# Altium PCB Copy of GameBoard_V1I1_083018.PcbDoc (part 7 of 21) (continued)
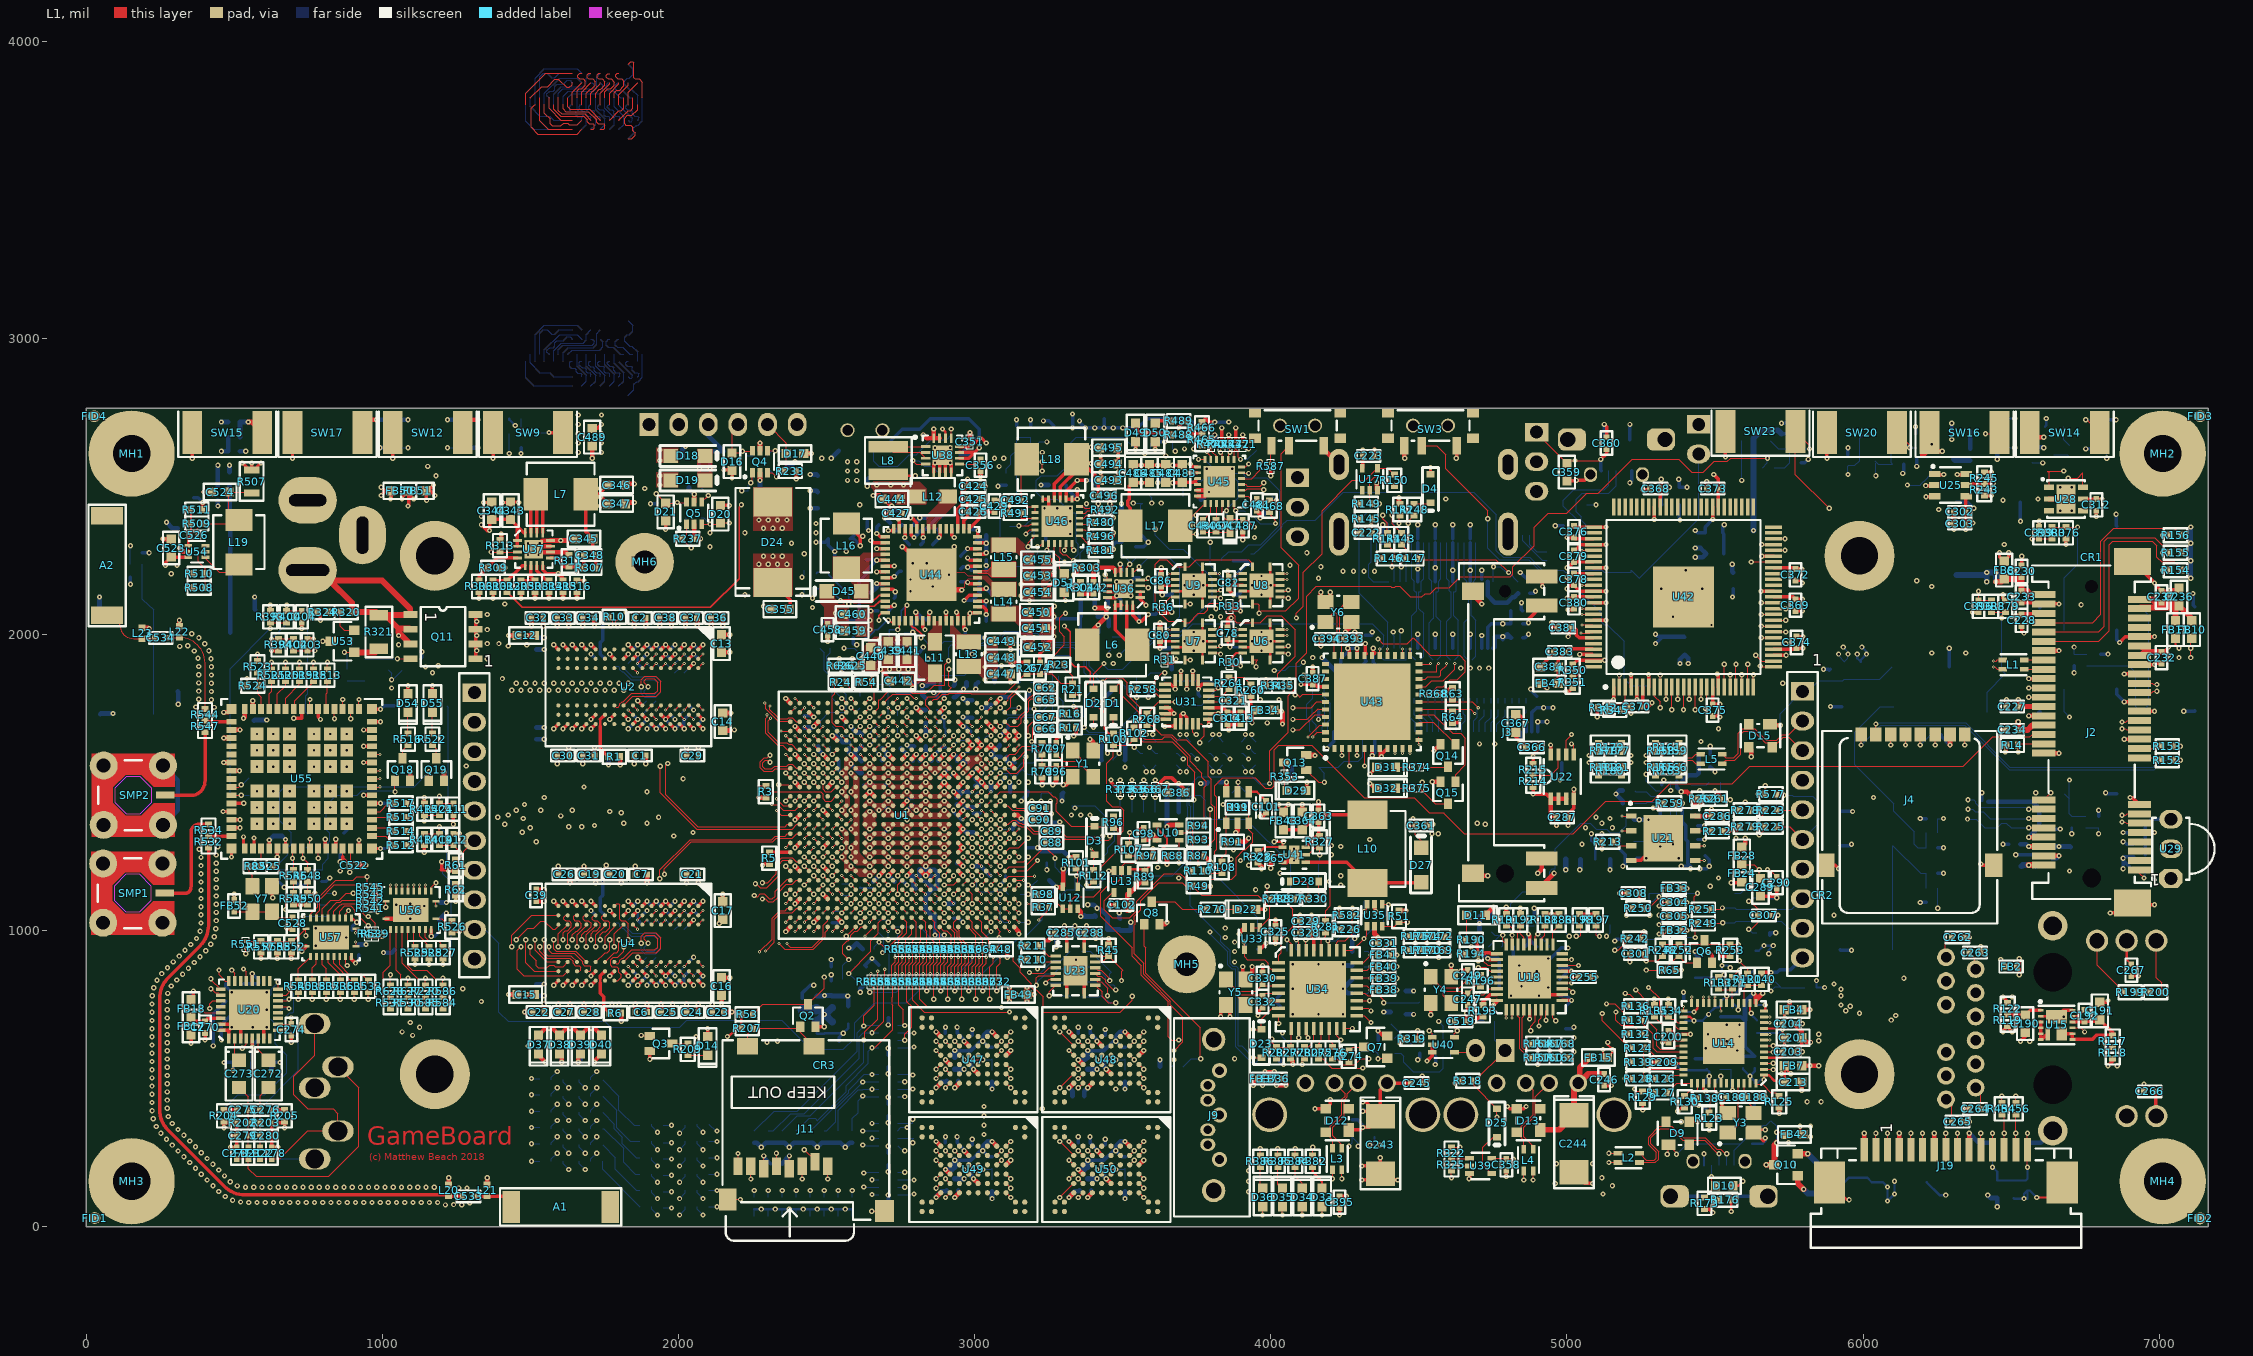
[diagram p0: L1 view]
## Nets (pads, with @x,y where several pads share a name; then routed paths per layer and width w, separated by ;. In a path a pad name is that pad's centre, name@x,y a point inside that pad or via, vN(x,y) a via of type N, cw(c..) or ccw(c..) an arc to the next point about the centre after c; other vN are vias at no path point) (continued)
  L7 (PWR) w11.81: v1(1173.23,2503.94) 1724.41,2503.94 v1(1736.22,2492.13) 1791.34,2547.24 1925.2,2547.24 ; v1(1937.01,2535.43) 1925.2,2547.24 ; v1(5555.12,1161.42) 5562.99,1169.29 5578.74,1169.29 5629.92,1220.47 5629.92,1350.52 5621.06,1359.38 5621.06,1385.7 5569.88,1436.88 5569.88,1448.69 5527.43,1491.14 5369.95,1491.14 5314.83,1546.26 5261.94,1546.26 5249.02,1559.18 5249.02,1598.3 5256.89,1606.17 5256.89,1669.29 5216.54,1669.29 5061.02,1824.8 5061.02,1837.6 4958.66,1939.96 4903.67,1939.96 4851.38,1992.25 4838.45,1992.25 4802.17,2028.54 4802.17,2043.18 4791.21,2054.13 4776.57,2054.13 4733.27,2097.44 4733.27,2132.87 4668.31,2197.83 4665.48,2197.83 4654.53,2208.79 4654.53,2211.61 4574.8,2291.34 4390.62,2291.34 4366.01,2266.73 4259.08,2266.73 4248.25,2255.91 4079.7,2255.91 4075.76,2259.84 3800.32,2259.84 3647.77,2412.4 3423.1,2412.4 3403.42,2392.72 3338.45,2392.72 3330.58,2400.59 3112.33,2400.59 3060.04,2452.88 3060.04,2524.61 2936.02,2648.62 2304.99,2648.62 2283.34,2626.97 2234.12,2626.97 2224.28,2636.81 2053.02,2636.81 2031.37,2615.16 2018.76,2615.16 1950.85,2547.24 1925.2,2547.24
  L12 w11.81: TP21.1@1700.79,2464.57 v1(1736.22,2464.57)
  other v1: 1736.22,2433.07 1937.01,2503.94
+3V3_HDR_J1: C289.1 C290.2 FB24.1 FB28.1 J12.4 | length 517.7
  L1 w3.94: FB24.1@5590.55,1222.44 5631.89,1222.44 v1(5649.61,1204.72) 5649.61,1179.13 C289.1@5653.54,1175.2 ; v1(5677.17,1204.72) 5685.04,1204.72 C290.2@5708.66,1181.1
  L7 (PWR) w3.94: v1(5649.61,1204.72) v1(5677.17,1204.72) 5677.17,1380.7 5795.28,1498.81 J12.4@5795.28,1507.09
+3V3_IR: C310.1 C311.1 R247.1 U29.3 | length 193.8
  L12 w11.81: R247.1@6952.76,1255.91 6952.76,1303.15 6952.76,1354.33 6974.02,1375.59 U29.3@7039.37,1375.59
+3V3_LDO: C423.1 FB36.1 TP30.1 U44.39 | length 3367.5
  L1 w11.81: U44.39@2785.43,2356.3 2785.43,2336.61 v2(2795.28,2326.77) ; v1(4019.69,476.38) v1(4051.18,476.38) 4055.12,480.31 FB36.1@4035.43,500
  L5 (PWR) w11.81: v2(2795.28,2326.77) 2813.98,2308.07 2872.17,2308.07 2903.67,2276.57 2938.85,2276.57 2949.8,2287.53 2949.8,2314.83 3004.06,2369.09 3019.56,2369.09 3230.19,2158.46 3285.31,2158.46 3393.57,2050.2 3425.07,2050.2 3459.52,2015.75 3685.04,2015.75 3744.09,2074.8 3803.15,2074.8 v1(3814.96,2086.61) 3830.71,2070.87 v1(3830.71,2059.06) v1(3799.21,2059.06)
  L8 (PWR) w11.81: v1(3830.71,2059.06) 3866.14,2023.62 3866.14,1979.2 3916.34,1929.01 3916.34,1759.71 3959.65,1716.41 3959.65,1417.45 3945.87,1403.67 3945.87,1378.08 3947.83,1376.11 3947.83,1156.5 3941.07,1156.5 3827.76,1043.18 3827.76,917.45 3905.51,839.69 3905.51,594.49 3943.77,594.49 3961.61,576.64 3961.61,515.88 3972.57,504.92 3991.14,504.92 v1(4019.69,476.38)
  L12 w11.81: v2(2795.28,2326.77) 2822.83,2354.33 C423.1@2834.65,2354.33 2877.95,2397.64 TP30.1@2889.76,2397.64
+3V3_MCU: C325.1 C326.1 C327.1 C328.1 C329.1 D22.2 FB36.2 FB37.2 Q7.2 R269.2 R272.2 R417.2 U33.5 U34.6 U34.29 | length 6840.8
  L1 w11.81: D22.2@3948.82,1070.87 v1(3980.31,1070.87) ; U33.5@3962.6,935.04 v1(3984.25,956.69) ; v1(3995.08,762.8) U34.6@4026.57,762.8 ; FB36.2@3996.06,500 3996.06,507.87 v1(3980.31,523.62) v1(4011.81,523.62) ; C329.1@4137.8,1031.5 C328.1@4137.8,992.13 4137.8,976.38 4145.67,968.5 U34.29@4145.67,933.07 ; v1(4362.2,661.42) 4379.92,643.7 Q7.2@4393.7,643.7
  L1 w15.75: v1(4015.75,956.69) C325.1@4015.75,976.38 ; C329.1@4137.8,1031.5 v1(4137.8,1051.18)
  L5 (PWR) w11.81: v1(3980.31,523.62) 3980.31,575.92 3965.55,590.68 3965.55,695.01 3975.39,704.85 3975.39,747.05 3991.14,762.8 v1(3995.08,762.8) 3995.08,813.12 3977.36,830.84 3977.36,860.36 3991.14,874.14 3991.14,932.09 v1(4015.75,956.69) v1(3984.25,956.69) 3984.25,965.68 3965.55,984.38 3965.55,1006.89 3980.31,1021.65 v1(3980.31,1070.87) 4125.98,1070.87 4137.8,1059.06 v1(4137.8,1051.18) ; v1(4011.81,523.62) 4012.68,524.49 4225.28,524.49 v1(4362.2,661.42)
  L8 (PWR) w11.81: v1(4362.2,661.42) 4497.05,526.57 4519.56,526.57 4532.35,539.37 4536.55,539.37 4547.37,528.54 4562.86,528.54 4566.92,524.49 5054.69,524.49 5055.56,523.62 5237.33,523.62 5281.62,479.33 5653.42,479.33 5692.79,439.96 5818.77,439.96 5829.72,429.01 5829.72,423.36 5850.52,402.56 5861.22,402.56 6000.33,263.45 6664.83,263.45 6699.88,298.5 6699.88,349.49 6766.73,416.34 6766.73,921.65 6742.7,945.68 6742.7,1056.52 6577.76,1221.46 6577.76,1443.04 6563.98,1456.82 6563.98,1702.88 6577.76,1716.66 6577.76,2249.02 6338.58,2488.19 6259.84,2488.19 v1(6181.1,2566.93)
  L12 w11.81: R269.2@3956.69,937.01 3964.57,937.01 v1(3984.25,956.69) ; v1(3995.08,762.8) 4010.83,762.8 ; C326.1@4031.5,744.09 4012.8,762.8 4010.83,762.8 ; C327.1@4031.5,783.46 4010.83,762.8 ; R272.2@4362.2,629.92 v1(4362.2,661.42) ; v1(6181.1,2566.93) R417.2@6181.1,2590.55
+3V3_MPCIE: C224.1 C225.1 C230.1 C231.1 C232.1 C233.1 C234.1 C235.1 FB8.2 J2.2 J2.24 J2.39 J2.41 J2.52 | length 2530.8
  L1 w11.81: J2.39@6933.07,1929.13 6940.94,1937.01 7023.62,1937.01 v1(7031.5,1929.13) ; J2.41@6933.07,1960.63 6948.82,1944.88 7019.69,1944.88 v1(7031.5,1956.69)
  L1 w19.68: v1(6448.82,2177.17) 6466.54,2177.17 FB8.2@6476.38,2187.01 6529.53,2187.01 C230.1@6535.43,2192.91 C233.1@6535.43,2145.67 6555.12,2145.67 6566.93,2133.86 J2.52@6610.24,2133.86 ; v1(6523.62,1704.72) C234.1@6523.62,1677.17 6555.12,1677.17 6570.87,1692.91 J2.24@6610.24,1692.91 ; v1(6559.06,1220.47) J2.2@6610.24,1220.47
  L7 (PWR) w19.68: v1(6448.82,2177.17) 6527.56,2177.17 6613.91,2090.81 6613.91,1901.32 6622.51,1892.72 ; v1(6559.06,1220.47) 6538.39,1241.14 6538.39,1265.28 6536.42,1267.25 6536.42,1418.83 6546.26,1428.67 6546.26,1611.74 6523.62,1634.38 v1(6523.62,1704.72) 6523.62,1720.99 6559.52,1756.89 6560.56,1756.89 6581.69,1778.02 6581.69,1851.9 6622.51,1892.72 ; v1(7031.5,1956.69) 6995.08,1920.28 6904.01,1920.28 6861.69,1877.95 6736.74,1877.95 6721.98,1892.72 6622.51,1892.72
  L12 w19.68: C225.1@6314.96,2200 6408.66,2200 v1(6417.32,2208.66) ; v1(6417.32,2177.17) v1(6417.32,2208.66) ; v1(6448.82,2177.17) v1(6448.82,2208.66) ; C224.1@6531.5,2200 6457.48,2200 v1(6448.82,2208.66) ; C231.1@6535.43,1216.54 6539.37,1220.47 v1(6559.06,1220.47) 6578.74,1220.47 C235.1@6582.68,1216.54 ; v1(6417.32,2208.66) v1(6448.82,2208.66)
+3V3_USB_HUB: C250.1 C251.2 C252.1 C253.2 C256.1 C257.1 C258.1 C259.1 C260.2 FB12.2 R184.2 R186.1 R187.2 R188.1 R197.2 R198.2 U18.5 U18.10 U18.15 U18.23 U18.29 U18.36 | length 2003.7
  L1 w11.81: v1(4732.28,905.51) 4736.22,901.57 U18.29@4763.78,901.57 ; v1(4751.97,748.03) 4763.78,759.84 U18.36@4763.78,763.78 ; v1(4870.08,988.19) 4874.02,984.25 U18.23@4874.02,952.76 ; v1(4874.02,700.79) U18.5@4874.02,732.28 ; R188.1@4925.2,1055.12 v1(4948.82,1055.12) R186.1@4972.44,1055.12 ; U18.10@4984.25,763.78 v1(5015.75,763.78) ; U18.15@4984.25,862.2 v1(5015.75,862.2) ; R198.2@5047.24,1055.12 v1(5070.87,1055.12) R197.2@5098.43,1055.12
  L5 (PWR) w11.81: v1(4677.17,944.88) 4679.99,944.88 4719.36,905.51 v1(4732.28,905.51) 4751.97,885.83 v1(4751.97,748.03) 4826.77,748.03 v1(4874.02,700.79) 4906.62,700.79 4921.39,715.55 4967.52,715.55 v1(5015.75,763.78) 5015.75,768.83 4997.05,787.53 4997.05,843.5 v1(5015.75,862.2) 5016.73,863.19 5047.12,863.19 5070.87,886.94 v1(5070.87,1055.12) v1(4948.82,1055.12) 4909.45,1055.12 v1(4889.76,1074.8) 4889.76,1007.87 v1(4870.08,988.19)
  L12 w11.81: v1(4677.17,944.88) R184.2@4696.85,944.88 4696.85,940.94 v1(4732.28,905.51) 4767.72,905.51 C257.1@4771.65,901.57 C260.2@4771.65,850.39 C256.1@4771.65,807.09 ; C252.1@4858.27,944.88 4870.08,956.69 4870.08,972.44 ; v1(4870.08,988.19) 4870.08,972.44 ; v1(4874.02,700.79) C259.1@4874.02,740.16 ; R187.2@4889.76,1055.12 v1(4889.76,1074.8) ; C253.2@4897.64,944.88 4870.08,972.44 ; C258.1@4976.38,779.53 5000,779.53 v1(5015.75,763.78) 4996.06,744.09 FB12.2@4996.06,726.38 ; C251.2@4976.38,834.65 5003.94,862.2 v1(5015.75,862.2) 5003.94,874.02 C250.1@4976.38,874.02
+3V3_WIFI: C522.2 C525.2 C529.2 C531.2 D54.2 D55.2 FB50.2 FB51.2 R553.2 R554.2 R557.2 U55.46 U55.47 U56.19 U57.19 | length 3591.7
  L1 w3.66: U55.46@866.14,1276.57 866.14,1248.03 893.7,1220.47 C522.2@895.08,1220.47
  L1 w3.94: C522.2@893.7,1220.47 U55.47@893.7,1276.57
  L1 w11.81: v1(590.55,905.51) R557.2@590.55,925.2 ; v1(858.27,1232.28) 866.14,1240.16 866.14,1248.03 ; U57.19@895.67,911.42 895.67,903.54 v1(909.45,889.76) ; v1(1066.93,2456.69) 1066.93,2462.6 FB50.2@1088.58,2484.25 FB50.2@1088.58,2474.41 ; D54.2@1086.61,1799.21 v1(1086.61,1826.77) ; v1(1086.61,2433.07) 1088.58,2435.04 FB50.2@1088.58,2474.41 ; v1(1106.3,2456.69) FB50.2@1088.58,2474.41 ; v1(1165.35,980.31) U56.19@1165.35,1003.94 ; D55.2@1169.29,1799.21 v1(1169.29,1826.77)
  L5 (PWR) w11.81: v1(889.76,1196.85) 892.72,1199.8 960.5,1199.8 1065.94,1094.36 1065.94,1092.65 1100.52,1058.07 1102.23,1058.07 1113.19,1047.12 1113.19,1032.48 v1(1165.35,980.31) 1074.8,889.76 v1(909.45,889.76) 898.62,900.59 714.44,900.59 700.66,886.81 637.92,886.81 619.22,905.51 v1(590.55,905.51) 590.55,1014.64 721.58,1145.67 v1(724.41,1145.67) 763.78,1145.67 818.9,1200.79 v1(858.27,1200.79) v1(858.27,1232.28) 861.22,1235.24 861.22,1423.1 876.11,1437.99 944.75,1437.99 955.71,1448.95 955.71,1459.65 1169.29,1673.23 v1(1169.29,1826.77) v1(1086.61,1826.77) 1086.61,2059.06 1011.81,2133.86 1011.81,2268.43 1021.65,2278.27 1021.65,2368.11 v1(1086.61,2433.07)
  L12 w11.81: R553.2@700.79,1165.35 704.72,1165.35 v1(724.41,1145.67) 728.35,1145.67 R554.2@748.03,1165.35 736.22,1177.17 v1(724.41,1177.17) ; v1(858.27,1232.28) 858.27,1257.87 C525.2@870.08,1269.68 ; v1(909.45,889.76) 921.26,901.57 C531.2@921.26,917.32 ; v1(1165.35,980.31) 1177.17,980.31 C529.2@1192.91,996.06
+5V: C70.1 C71.1 C218.1 C242.1 C458.1 C459.1 C460.1 D45.1 FB10.1 FB13.1 FB31.2 FB33.1 R183.1 TP37.1 U1.D10 U1.E9 U16.1 U44.44 | length 11255.8
  L1 w3.94: v1(7106.3,1921.26) v1(7106.3,1952.76) 7106.3,1982.28 FB10.1@7110.24,1986.22
  L1 w11.81: v2(2649.61,2316.93) 2657.48,2309.06 U44.44@2698.82,2309.06
  L1 w15.75: U1.E9@3007.87,1515.75 v2(3023.62,1500) U1.D10@3039.37,1484.25 ; FB33.1@5381.89,1141.73 v1(5405.51,1141.73)
  L7 (PWR) w3.94: 2649.61,2303.15 2649.61,2132.51 2713.72,2068.39 2773.89,2068.39 2795.07,2089.57 2924.21,2089.57 2949.8,2115.16 2949.8,2120.29 2970.26,2140.75 3045.49,2140.75 3088.79,2184.06 3165.56,2184.06 3187.22,2205.71 ; 2660.43,1830.71 2660.43,1745.85 2652.56,1737.98 2652.56,1735.24 2639.55,1735.24 2630.91,1726.59 2630.91,1493.88 2639.55,1485.24 2641.73,1485.24 2643.7,1483.27 2639.55,1483.27 2622.05,1465.76 2622.05,1377.95 2640.75,1359.25 2777.77,1359.25 2782.9,1364.38 2977.36,1364.38 2977.36,1380.13 2986.01,1388.78 2996.27,1388.78 3040.05,1432.55 3040.05,1459.95 3038.39,1461.61 3038.39,1474.62 3023.62,1489.38 v2(3023.62,1500) ; v1(4263.78,271.65) 4263.78,403.55 4330,469.77 4330,479.61 4393.7,543.31 4393.7,637.8 4444.88,637.8 4525.59,718.5 4525.59,721.67 4674.42,870.5 4674.42,921.26 4704.72,951.56 v1(4704.72,1023.62) 4704.72,1044.5 4729.33,1069.11 4729.33,1080.92 4790.14,1141.73 5389.76,1141.73 ; v1(4783.46,1992.13) 4795.28,1992.13 4981.3,1806.1 4981.3,1523.83 4991.14,1513.99 4991.14,1487.98 5066.72,1412.4 5258.08,1412.4 5329.72,1340.76 5329.72,1277.35 5326.77,1274.4 5326.77,1204.72 5389.76,1141.73 ; v1(5933.07,1956.69) 5947.83,1971.46 6010.83,1971.46 6376.97,2337.6 6595.47,2337.6 6744.09,2188.98 6744.09,2150 6922.64,1971.46 7023.99,1971.46 7024.97,1972.44 7038.02,1972.44 7047.24,1963.22 7047.24,1951.56 7062.78,1936.02 7073.04,1936.02 7087.81,1921.26 v1(7106.3,1921.26) ; v1(5948.82,1933.07) 5945.87,1930.12 5945.87,1292.32 5798.03,1144.49 5722.03,1144.49 5616.92,1039.37 5533.87,1039.37 5532.3,1040.94 5505.11,1040.94 5405.51,1140.54 v1(5405.51,1141.73) 5389.76,1141.73
  L7 (PWR) w15.75: 2649.61,2303.15 2526.57,2180.12 2526.57,2075.79 v2(2531.5,2070.87) v2(2531.5,2039.37) 2581.69,1989.17 2581.69,1956.01 2593.8,1943.9 2620.77,1943.9 2638.78,1925.88 2638.78,1908.76 2632.87,1902.86 2632.87,1853.64 2655.81,1830.71 2660.43,1830.71 ; v2(2649.61,2316.93) 2705.02,2316.93 2761.12,2260.83 2882.58,2260.83 2937.7,2205.71 3187.22,2205.71 3209.94,2205.71 3267.03,2148.62 3418.01,2148.62 3477.07,2207.68 3563.68,2207.68 3601.08,2245.08 3638.48,2245.08 3650.29,2233.27 3961.32,2233.27 4021.36,2173.23 4147.93,2173.23 4152.86,2168.31 4335.33,2168.31 4344.19,2177.17 4519.98,2177.17 4546.56,2203.74 4563.68,2203.74 4564.66,2204.72 4582.68,2204.72 4691.93,2095.47 4691.93,2093.8 4704.04,2081.69 4705.71,2081.69 4783.46,2003.94 v1(4783.46,1992.13)
  L12 w3.94: v1(4263.78,271.65) 4275.59,283.46 FB13.1@4275.59,301.18 4295.28,281.5 v1(4295.28,271.65) ; v1(5917.32,1933.07) 5917.32,1927.17 FB31.2@5937.01,1907.48 5948.82,1919.29 v1(5948.82,1933.07) 5948.82,1940.94 v1(5933.07,1956.69)
  L12 w15.75: TP37.1@2496.06,2043.31 2527.56,2043.31 v2(2531.5,2039.37) ; C71.1@3002.56,1488.19 3011.81,1488.19 v2(3023.62,1500) 3014.37,1500 C70.1@3002.56,1511.81 ; R183.1@4704.72,996.06 v1(4704.72,1023.62) C242.1@4704.72,1047.24 ; U16.1@4751.97,1952.76 4755.91,1956.69 4755.91,1992.13 v1(4783.46,1992.13) ; v1@4783.46,1984.25 v1(4783.46,1992.13) ; C218.1@4811.02,1988.19 C218.1@4807.09,1992.13 ; v1(4783.46,1992.13) v1@4791.34,1992.13 ; v1@4791.34,1992.13 4799.21,2000 C218.1@4807.09,1992.13 ; v1@4791.34,1992.13 C218.1@4807.09,1992.13
+5V_BARREL: J17.1 Q11.1 Q11.2 Q11.3 Q12.3 R320.2 R321.2 TP24.1 | length 1326.5
  L1 w19.68: J17.1@748.03,2216.54 J17.1@759.84,2216.54 ; Q11.3@1094.49,1967.13 1055.12,2006.5 1055.12,2019.68 ; Q11.2@1094.49,2017.13 1091.93,2019.68 1055.12,2019.68 ; J17.1@759.84,2216.54 787.4,2216.54 J17.1@822.83,2181.1 ; J17.1@759.84,2216.54 795.28,2181.1 J17.1@822.83,2181.1 ; J17.1@822.83,2181.1 897.64,2106.3 R320.2@897.64,2074.8 978.35,2074.8 R321.2@988.19,2064.96 R321.2@1009.84,2064.96 ; J17.1@822.83,2181.1 1000,2181.1 1094.49,2086.61 Q11.1@1094.49,2067.13 1092.32,2064.96 R321.2@1009.84,2064.96 ; R321.2@1009.84,2064.96 1055.12,2019.68
  L8 (PWR) w3.94: v1(1031.5,1818.9) v1(1031.5,1846.46)
  L8 (PWR) w19.68: v1(1031.5,1818.9) 1073.62,1861.02 1073.62,1926.5 1055.12,1945.01 v1(1055.12,1964.57) v1(1055.12,1996.06)
  L12 w3.94: Q12.3@1019.69,1879.92 1031.5,1868.11 v1(1031.5,1846.46) 1035.43,1846.46 TP24.1@1066.93,1877.95
+5V_FTDI: C299.1 C300.1 D18.1 D19.1 J16.3 R233.2 R238.2 | length 867.2
  L1 w15.75: v1(2397.64,2525.59) R233.2@2397.64,2551.18
  L7 (PWR) w11.81: v1(1905.51,2440.94) 1952.76,2440.94 v1(2070.87,2559.06)
  L7 (PWR) w15.75: v1(2106.3,2559.06) 2128.25,2559.06 2144.98,2575.79 2162.1,2575.79 2190.65,2547.24 2317.23,2547.24 2322.15,2552.17 2339.27,2552.17 2365.85,2525.59 v1(2397.64,2525.59)
  L12 w11.81: v1(1905.51,2440.94) 1925.2,2440.94 R238.2@1929.13,2444.88 ; v1(2070.87,2559.06) 2070.87,2580.71 C299.1@2088.58,2598.43 2106.3,2580.71 v1(2106.3,2559.06)
  L12 w15.75: C299.1@2088.58,2598.43 2108.27,2618.11 C300.1@2153.54,2618.11 2100.79,2670.87 J16.3@2100.79,2708.66
+5V_HDMI_CON: C221.1 J1.18 R146.2 R147.2 U16.38 | length 1026.5
  L1 w3.94: v1(4358.27,2248.03) 4370.08,2248.03 R146.2@4377.95,2255.91 ; R147.2@4496.06,2255.91 4500,2251.97 4759.84,2251.97 v1(4803.15,2208.66)
  L5 (PWR) w3.94: v1(4358.27,2248.03) 4763.78,2248.03 v1(4803.15,2208.66)
  L12 w3.94: v1(4358.27,2248.03) J1.18@4358.27,2308.66 ; U16.38@4751.97,2177.17 v1(4751.97,2228.35) 4775.59,2228.35 4795.28,2208.66 v1(4803.15,2208.66) C221.1@4834.65,2177.17
+5V_HDR_J1: C297.1 C298.1 D15.1 FB27.1 FB31.1 J12.1 | length 519.6
  L1 w15.75: D15.1@5685.04,1696.85 5688.98,1692.91 v1(5720.47,1692.91)
  L12 w3.94: v1(5720.47,1692.91) 5720.47,1732.28 J12.1@5795.28,1807.09 5814.96,1807.09 5850.39,1842.52 C298.1@5889.76,1842.52 5931.1,1842.52 FB31.1@5937.01,1848.43 FB27.1@5992.13,1848.43 6057.09,1848.43 C297.1@6098.43,1889.76
+5V_JMP: J13.2 J22.3 Q11.5 Q11.6 Q11.7 Q11.8 | length 7253.7
  L1 w11.81: Q11.5@1314.96,1917.13 Q11.6@1314.96,1967.13 Q11.7@1314.96,2017.13 Q11.8@1314.96,2067.13
  L6 (PWR) w11.81: v1(1318.9,1944.88) 1346.46,1917.32 v1(1354.33,1917.32) 1694.03,1917.32 1728.47,1882.87 2352.17,1882.87 2512.8,2043.5 2512.8,2078.61 2523.75,2089.57 2539.24,2089.57 2545.15,2083.66 2582.55,2083.66 2597.87,2098.98 2623.46,2098.98 2686.88,2162.4 2732.28,2162.4 2791.34,2221.46 2799.08,2221.46 2810.04,2232.41 2810.04,2238.06 2848.55,2276.57 2938.85,2276.57 2949.8,2287.53 2949.8,2296.78 2976.38,2323.35 3029.19,2323.35 3031.62,2325.79 3129.92,2325.79 3141.73,2313.98 3468.38,2313.98 3490.03,2292.32 3960.5,2292.32 4090.55,2422.37 J13.2@4090.55,2429.13 4008.99,2429.13 3903.67,2534.45 3743.97,2534.45 3736.09,2526.57 3680.97,2526.57 3677.04,2530.51 3610.36,2530.51 3603.47,2523.62 3577.63,2523.62 3570.74,2530.51 3493.97,2530.51 3492,2528.54 3470.34,2528.54 3460.5,2538.39 3442.79,2538.39 3432.94,2528.54 3395.54,2528.54 3385.7,2538.39 3338.71,2538.39 3280.64,2480.31 2992.13,2480.31 2937.01,2425.2 2739.05,2425.2 2728.22,2414.37 2460.5,2414.37 2452.63,2406.5 2437.14,2406.5 2414.5,2429.13 2266.6,2429.13 2161.29,2323.82 2108.4,2323.82 2088.71,2304.13 2056.96,2304.13 2051.05,2310.04 1974.54,2310.04 1923.23,2361.35 1838.58,2361.35 1709.52,2232.28 1516.86,2232.28 1387.92,2103.35 1378.94,2103.35 1354.33,2078.74 v1(1354.33,2066.93) v1(1354.33,2015.75) v1(1354.33,1968.5)
  L7 (PWR) w11.81: J13.2@4090.55,2429.13 4236.22,2429.13 4269.69,2462.6 4387.8,2462.6 4404.53,2479.33 4440.82,2479.33 4451.64,2468.5 4575.92,2468.5 4582.81,2475.39 4598.3,2475.39 4605.19,2468.5 4883.46,2468.5 J22.3@4897.64,2482.68
  other v1: 1318.9,1996.06 1318.9,2043.31
+5V_MPCIE: C236.1 C237.1 FB10.2 FB11.2 J2.49 J2.51 | length 397.6
  L1 w19.68: J2.49@6933.07,2086.62 6937.01,2090.55 C236.1@7061.02,2090.55 ; J2.51@6933.07,2118.11 6976.38,2118.11 6988.19,2106.3 C237.1@7007.87,2106.3 7057.09,2106.3 C236.1@7066.93,2096.46 ; FB11.2@7055.12,2045.28 7055.12,2084.65 C236.1@7061.02,2090.55 ; FB10.2@7110.24,2045.28 7110.24,2053.15 C236.1@7066.93,2096.46 ; C236.1@7061.02,2090.55 C236.1@7066.93,2096.46
+5V_USB_BOT: C243.1 C245.1 D12.1 FB13.2 FB14.2 J6.1 U19.8 | length 1952.2
  L1 w11.81: D12.1@4263.78,326.77 4303.15,326.77 v1(4311.02,334.65) 4332.68,334.65 C243.1@4370.08,372.05 4370.08,461.42 J6.1@4392.91,484.25 ; v1(4311.02,389.76) 4352.36,389.76 4320.87,421.26 v1(4311.02,421.26) ; J6.1@4392.52,484.65 J6.1@4392.91,484.25 ; C245.1@4472.44,484.25 J6.1@4392.91,484.25
  L5 (PWR) w11.81: J6.1@4392.52,484.65 4477.36,569.49 4477.36,685.17 4500.98,708.79 4500.98,943.04 4506.89,948.95 4506.89,1010.83 4763.78,1267.72 5082.68,1267.72 v1(5145.67,1204.72)
  L12 w11.81: FB13.2@4275.59,360.24 4293.31,360.24 4311.02,342.52 v1(4311.02,334.65) 4324.8,334.65 FB14.2@4350.39,360.24 v1@4315.94,394.69
  L12 w15.75: v1(5145.67,1204.72) 5145.87,1204.92 U19.8@5145.87,1240.16
+5V_USB_OTG: C240.1 C241.1 D9.1 FB42.2 J5.1 Q10.3 TP11.1 | length 803.4
  L1 w3.94: v1(5338.58,244.09) 5342.52,248.03 D9.1@5342.52,275.59 5370.08,248.03 v1(5370.08,244.09) ; v1(5708.66,318.9) 5730.31,318.9 FB42.2@5738.19,311.02
  L1 w19.68: v1(5673.23,208.66) Q10.3@5700.79,208.66 5700.79,275.59 v1(5708.66,283.46)
  L12 w3.94: v1(5370.08,244.09) 5397.64,271.65 5397.64,279.53 C241.1@5586.61,279.53 ; J5.1@5564.96,207.68 5564.96,257.87 C241.1@5586.61,279.53 ; v1(5748.03,283.46) v1(5708.66,283.46) v1(5708.66,318.9) 5708.66,338.58 TP11.1@5688.98,358.27 5672.24,341.54 5663.18,341.54 5658.85,337.21 5618.71,337.21 C240.1@5618.11,336.61 5618.11,311.02 C241.1@5586.61,279.53
+5V_USB_OTG_Q: C358.2 C519.2 C520.2 C521.2 Q9.2 Q10.2 R318.2 R319.2 U39.5 U40.5 U51.5 U52.5 | length 2384.2
  L1 w3.94: v1(4437.01,618.11) 4456.69,637.8 R319.2@4456.69,633.86 ; U40.5@4620.08,639.76 4620.08,651.57 v1(4629.92,661.42) 4622.05,669.29 C519.2@4622.05,692.91 ; v1(4622.05,484.25) 4637.8,484.25 R318.2@4645.67,492.13 ; U39.5@4746.06,230.32 4793.31,230.32 C358.2@4795.28,228.35 v1(4818.9,228.35)
  L1 w19.68: Q10.2@5779.53,246.06 v1(5812.99,246.06)
  L5 (PWR) w3.94: v1(4622.05,484.25) 4622.05,653.54 v1(4629.92,661.42)
  L7 (PWR) w3.94: v1(4437.01,618.11) 4586.61,618.11 v1(4629.92,661.42) 4629.92,539.37 4818.9,350.39 v1(4818.9,228.35) 4823.82,233.27 5147.85,233.27 5175.41,260.83 5798.23,260.83 v1(5812.99,246.06)
  L12 w3.94: C521.2@4405.51,685.04 4437.01,653.54 4437.01,646.65 ; U52.5@4418.31,635.83 4433.07,650.59 4437.01,646.65 ; v1(4437.01,618.11) 4437.01,646.65 ; U51.5@4608.27,647.64 4616.14,647.64 v1(4629.92,661.42) 4622.05,669.29 C520.2@4622.05,692.91
  L12 w19.68: v1(5812.99,246.06) 5846.85,212.2 Q9.2@5846.85,187.01
+5V_USB_TOP: C244.1 C246.1 D13.1 FB15.1 J7.1 U19.5 | length 1670.9
  L1 w19.68: D13.1@4909.45,326.77 4974.41,326.77 C244.1@5023.62,375.98 5023.62,467.32 J7.1@5043.31,487.01 ; FB15.1@5076.77,570.87 5043.31,537.4 J7.1@5043.31,487.01 ; C246.1@5125.98,515.75 5072.05,515.75 J7.1@5043.31,487.01
  L5 (PWR) w19.68: v1(4996.06,1204.72) 4996.06,1200.27 4944.42,1148.62 4789.84,1148.62 4682.09,1040.87 4682.09,988.65 4641.73,948.3 4664.37,925.66 4664.37,754.92 4771.65,647.64 4828.54,647.64 4878.94,597.24 4878.94,585.11 4892.2,571.85 4950.98,571.85 J7.1@5038.19,484.65
  L12 w19.68: U19.5@4995.87,1240.16 4995.87,1204.92 v1(4996.06,1204.72)
+BAT: C489.1 J20.1 R226.1 R466.2 R475.2 R476.2 TP47.1 | length 11644.4
  L1 w11.81: C489.1@1708.66,2694.88 1726.38,2694.88 v1(1740.16,2708.66) ; R466.2@3767.72,2716.54 3779.53,2728.35 3791.34,2716.54 v1(3811.02,2716.54) ; v1(4216.54,1007.87) 4232.28,1007.87 R226.1@4236.22,1003.94
  L5 (PWR) w11.81: v1(1740.16,2614.17) 1902.69,2614.17 1941.07,2652.56 2208.53,2652.56 2234.12,2626.97 2283.34,2626.97 2310.9,2654.53 2909.32,2654.53 2954.6,2699.8 v1@3330.71,2699.8 ; v1@3468.5,2699.8 3497.05,2699.8 v1(3500,2696.85)
  L8 (PWR) w11.81: v1(3791.34,2696.85) 3791.34,2704.72 3792.32,2705.71 ; v1(4216.54,1007.87) 4216.54,542.17 4175.51,501.15 4175.51,333.47 4285.56,223.43 4314.83,223.43 4325.79,212.47 4325.79,186.02 4433.07,78.74 5216.54,78.74 5240.16,55.12 5402.37,55.12 5417.13,69.88 5562.86,69.88 5577.63,55.12 6077.63,55.12 6185.04,162.53 6746.23,162.53 6937.38,353.68 6937.38,437.01 6972.44,472.07 6972.44,915.94 6942.7,945.68 6942.7,1018.61 7002.95,1078.87 7002.95,1097.44 6941.93,1158.46 6941.07,1158.46 6930.12,1169.42 6930.12,1176.18 6920.28,1186.02 6920.28,2192.79 6714.44,2398.62 6657.61,2398.62 6646.65,2409.58 6646.65,2428.15 6508.86,2565.94 6272.77,2565.94 6240.29,2598.43 6167.39,2598.43 6136.29,2567.32 5419.89,2567.32 5413.39,2573.82 5239.85,2573.82 5170.95,2504.92 5091.54,2504.92 5087.6,2500.98 5023.75,2500.98 5000.72,2524.02 4872.64,2524.02 4858.86,2510.24 4783.24,2510.24 4781.27,2512.2 4385.11,2512.2 4366.01,2493.11 4350.52,2493.11 4333.4,2510.24 4212.38,2510.24 4115.33,2607.28 3917.45,2607.28 3915.48,2609.25 3895.8,2609.25 3850.52,2654.53 3803.28,2654.53 3792.32,2665.48 3792.32,2705.71 ; 3792.32,2705.71 3795.28,2708.66 3792.32,2711.61 3792.32,2705.71
  L12 w11.81: v1(3330.71,2744.09) v1(3330.71,2696.85) v1(3374.02,2696.85) ; v1(3354.33,2720.47) 3354.33,2716.54 v1(3374.02,2696.85) ; R476.2@3437.01,2728.35 v1(3437.01,2696.85) ; 3795.28,2708.66 v1@3791.34,2704.72 ; v1(3858.27,2716.54) v1(3811.02,2716.54) v1(3791.34,2696.85) v1@3791.34,2704.72 ; v1(3374.02,2696.85) v1(3405.51,2696.85) v1(3437.01,2696.85) ; v1(3437.01,2696.85) v1(3468.5,2696.85) v1(3500,2696.85) 3551.18,2696.85 R475.2@3582.68,2728.35 TP47.1@3688.98,2728.35 3723.3,2728.35 3739.05,2712.6 3762.67,2688.98 3775.59,2688.98 v1@3791.34,2704.72
  other v1: 1740.16,2645.67 1740.16,2677.17 1740.16,2740.16
+DDR_VREF: C1.1 C2.1 C3.1 C4.1 C5.1 C6.1 C7.1 C8.1 C9.1 C10.2 C18.1 R8.1 R11.2 R430.1 U1.AC2 U2.H1 U2.M8 U3.H1 U3.M8 U4.H1 U4.M8 U5.H1 U5.M8 | length 8852.6
  L1 w11.81: v2(1704.72,846.46) U4.M8@1720.47,862.2 ; v2(1704.72,1712.6) U2.M8@1720.47,1728.35 ; v2(1830.71,1098.43) U4.H1@1846.46,1082.68 ; v2(1830.71,1964.57) U2.H1@1846.46,1948.82 ; U1.AC2@2440.94,1736.22 v2(2456.69,1720.47)
  L1 w15.75: v2(1850.39,1562.99) C1.1@1850.39,1590.55 ; v2(1850.39,2027.56) C2.1@1850.39,2055.12 ; C6.1@1854.33,724.41 v2(1854.33,751.97) ; C7.1@1854.33,1188.98 v2(1854.33,1216.54)
  L5 (PWR) w31.5: v2(1704.72,846.46) 1720.47,846.46 1783.46,783.46 1822.83,783.46 ; v2(1704.72,1066.93) 1720.47,1066.93 1775.59,1122.05 1830.71,1122.05 ; v2(1704.72,1712.6) 1720.47,1712.6 1783.46,1649.61 1822.83,1649.61 ; v2(1704.72,1933.07) 1720.47,1933.07 1783.46,1996.06 1822.83,1996.06 ; v2(1830.71,814.96) 1830.71,791.34 1822.83,783.46 ; v2(1830.71,1098.43) 1830.71,1122.05 ; v2(1830.71,1681.1) 1830.71,1657.48 1822.83,1649.61 ; v2(1830.71,1964.57) 1830.71,1988.19 1822.83,1996.06 ; v2(1854.33,751.97) v2@1854.33,759.84 ; 2456.69,645.67 2355.33,645.67 2346.47,654.53 2329.31,654.53 2200.37,783.46 1877.95,783.46 v2@1854.33,759.84 ; v2(2456.69,1720.47) 2303.15,1720.47 2243.11,1660.43 2243.11,1302.17 2225.39,1284.45 2225.39,976.72 2432.43,769.68 2463.57,769.68 ; 2460.63,688.98 2377.95,688.98 2214.55,852.37 2201.77,852.37 2185.05,869.09 2182.09,869.09 2109.25,941.93 2109.25,1084.63 2111.22,1086.6 2111.22,1174.21 2104.33,1181.1 2104.33,1373.04 1960.64,1516.73 1937,1516.73 1926.17,1505.91 1906.48,1505.91 1850.39,1562 v2(1850.39,1562.99) 1850.39,1633.86 1834.65,1649.61 1822.83,1649.61 ; 2470.47,736.22 2398.7,736.22 2181.1,953.82 2181.1,1536.42 2114.17,1603.35 2114.17,1811.02 2247.05,1943.9 2247.05,2013.78 2170.28,2090.55 1884.84,2090.55 1850.39,2056.1 v2(1850.39,2027.56) 1850.39,2011.81 1834.65,1996.06 1822.83,1996.06 ; 2523.62,641.73 2474.38,592.49 2262.26,592.49 2217.52,637.22 2217.52,673.24 2209.65,681.11 2209.65,695.87 2096.47,695.87 2094.5,697.83 2070.85,697.83 2068.89,695.87 2006.89,695.87 1990.16,712.6 1837.46,712.6 1829.59,720.47 1819.89,720.47 1818.91,721.46 1725.39,721.46 1724.41,720.47 1535.43,720.47 1518.7,737.2 1518.7,793.31 1397.64,914.37 1397.64,1079.72 1400.59,1079.72 1500,1179.13 1607.28,1179.13 1621.06,1192.91 1649.61,1192.91 1664.37,1178.15 1689.96,1178.15 1703.74,1191.93 1797.24,1191.93 1821.85,1216.54 v2(1854.33,1216.54) 1854.33,1145.67 1830.71,1122.05 ; 1822.83,783.46 1834.65,783.46 1854.33,763.78 v2@1854.33,759.84
  L12 w11.81: v2(1704.72,1066.93) U5.M8@1720.47,1051.18 ; v2(1704.72,1933.07) U3.M8@1720.47,1917.32 ; v2(1830.71,814.96) U5.H1@1846.46,830.71 ; v2(1830.71,1681.1) U3.H1@1846.46,1696.85 ; C5.1@2425.2,1724.41 2452.76,1724.41 v2(2456.69,1720.47)
  L12 w15.75: v2(1850.39,1562.99) C4.1@1850.39,1590.55 ; v2(1850.39,2027.56) C3.1@1850.39,2055.12 ; C8.1@1854.33,724.41 v2(1854.33,751.97) ; C9.1@1854.33,1188.98 v2(1854.33,1216.54)
  L12 w25: R8.1@2467.52,691.93 v2@2492.13,716.53 ; R11.2@2467.52,739.17 2490.16,716.53 v2@2492.13,716.53 ; 2518.7,691.93 v2@2494.09,716.53 ; 2518.7,739.17 2496.06,716.53 v2@2494.09,716.53 ; v2@2492.13,716.53 v2(2493.11,716.53) v2@2494.09,716.53
  L12 w31.5: R430.1@2417.32,732.28 2460.63,732.28 2464.57,736.22 R11.2@2464.57,732.28 ; R8.1@2466.53,692.91 R8.1@2467.52,691.93
+DDR_VREF_PMIC: C424.1 R430.2 U44.31 | length 2499.4
  L1 w11.81: U44.31@2942.91,2356.3 2942.91,2423.23 2956.69,2437.01 2956.69,2480.31 C424.1@2976.38,2500 v1(2976.38,2523.62)
  L5 (PWR) w11.81: v1(2456.69,814.96) 2456.69,842.52 2464.57,850.39 2444.88,870.08 2456.69,881.89 2397.64,940.94 2397.64,1015.75 2319.88,1093.5 2319.88,1552.29 2327.76,1560.17 2327.76,1563.98 2401.57,1637.8 2431.96,1637.8 2492.13,1697.96 2492.13,1938.12 2522.64,1968.63 2522.64,1975.39 2578.74,2031.5 2578.74,2079.85 2593.5,2094.62 2593.5,2110.11 2578.74,2124.87 2578.74,2264.89 2585.63,2271.78 2585.63,2287.27 2578.74,2294.16 2578.74,2377.95 2619.09,2418.31 2619.95,2418.31 2630.91,2429.26 2630.91,2430.12 2650.59,2449.8 2665.23,2449.8 2676.18,2460.76 2676.18,2475.39 2683.07,2468.5 2921.26,2468.5 v1(2976.38,2523.62)
  L12 w11.81: R430.2@2417.32,771.65 2417.32,787.4 2444.88,814.96 v1(2456.69,814.96)